# KiCad board SNES_SA1_1-0.kicad_pcb
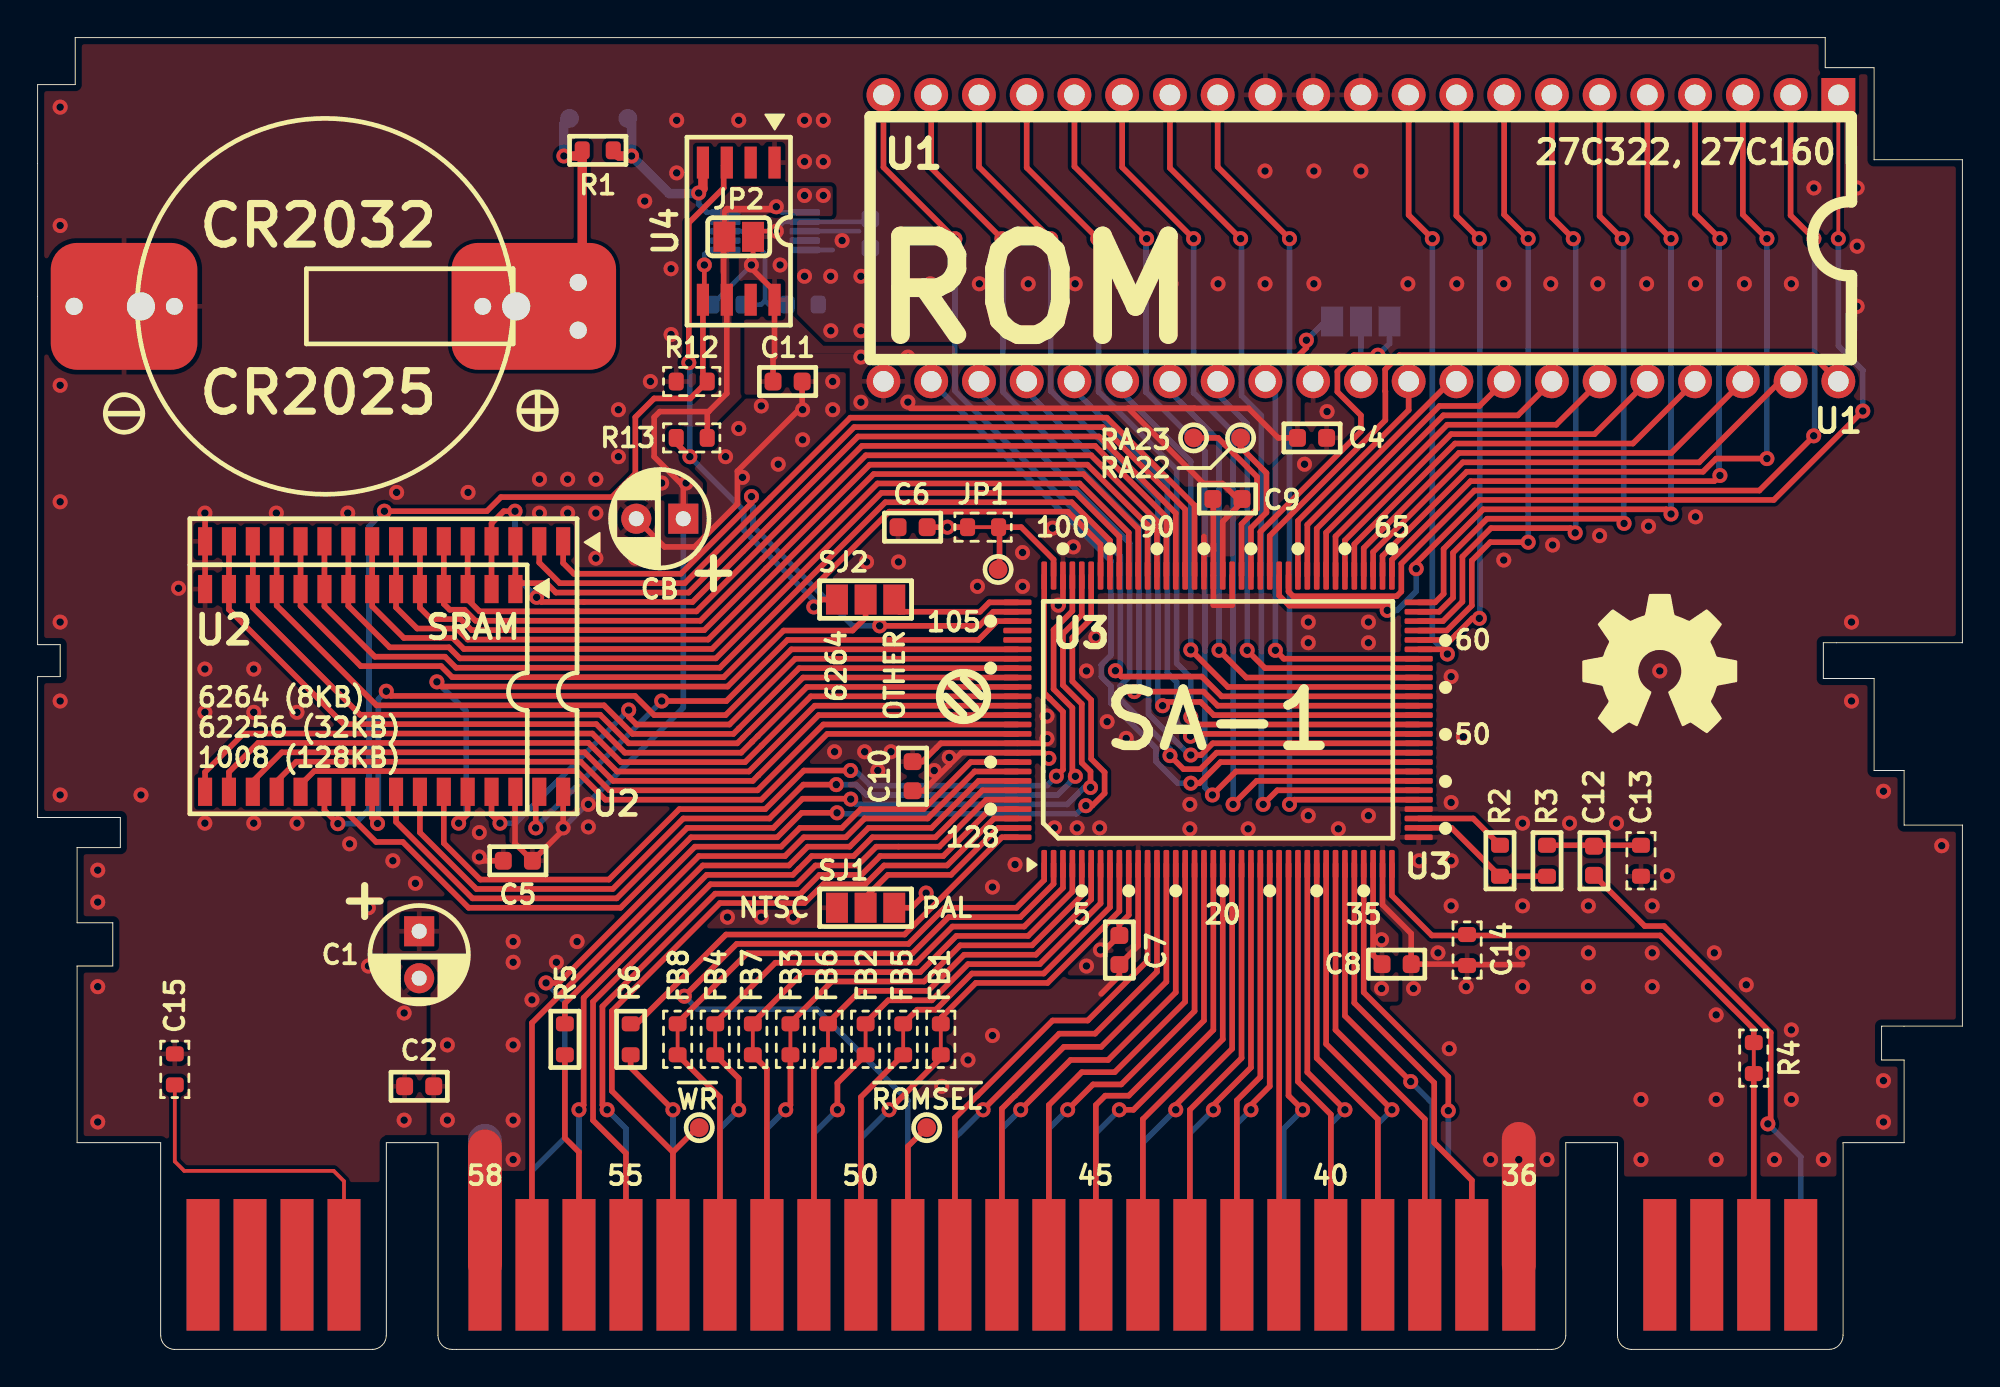
[diagram p0: board, top side]
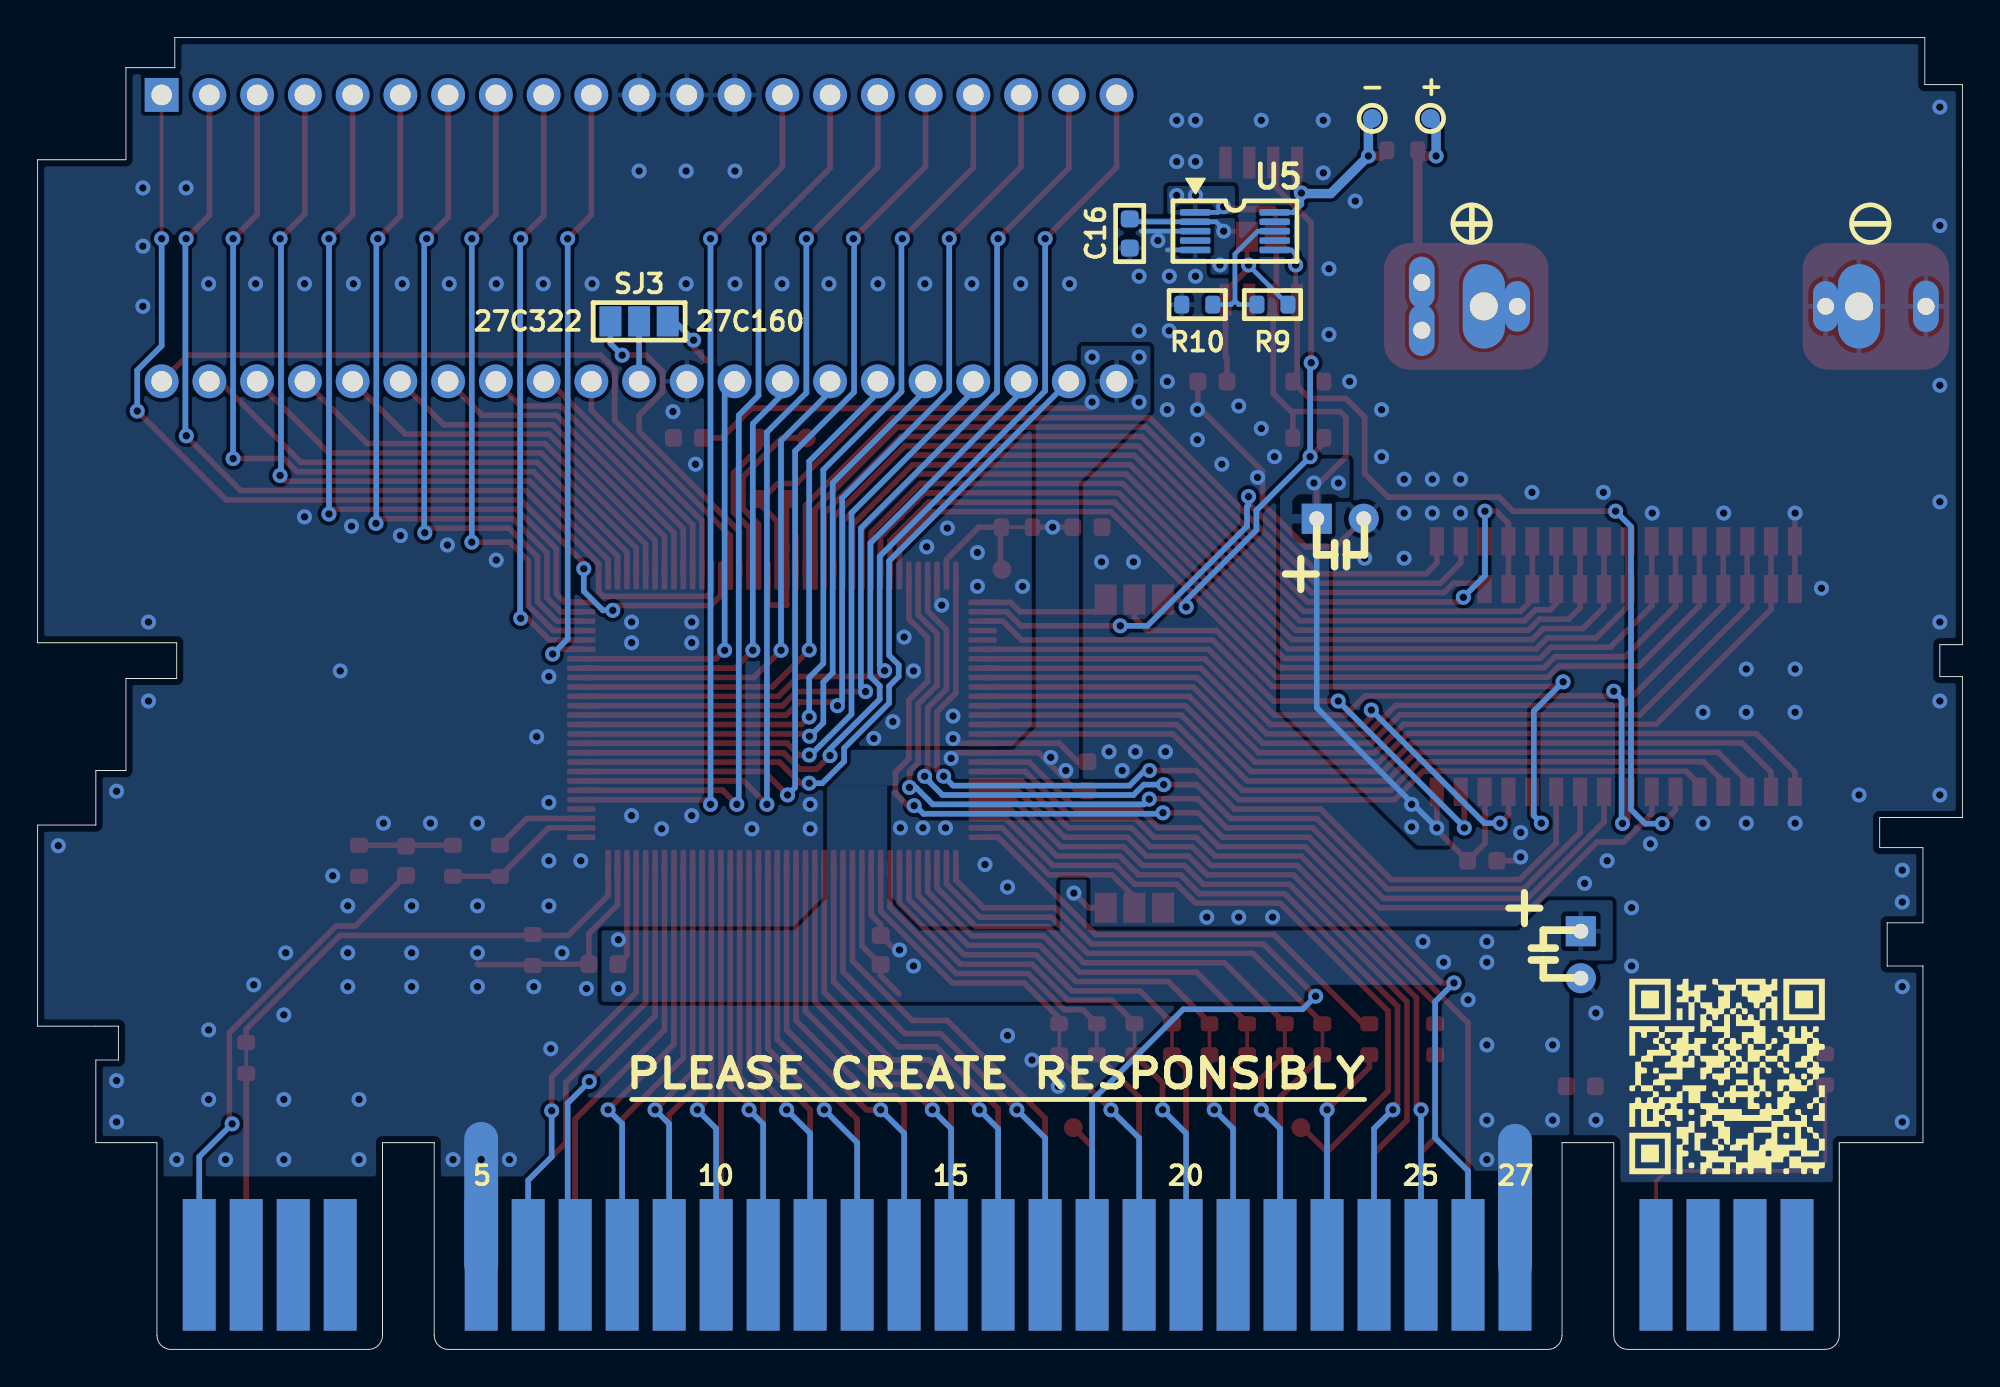
[diagram p1: board, bottom side, seen from below]

Outline 102.4 x 69.8 mm; copper layers: Top, Bottom. Coordinates in mm from the lower left corner of the outline.
Outline path: 3.8,11 2.1,11 2.1,20.4 4,20.4 4,22.7 2.1,22.7 2.1,26.7 4.4,26.7 4.4,28.3 0,28.3 0,35.8 1.2,35.8 1.2,37.5 0,37.5 0,67.3 2,67.3 2,69.8 95.1,69.8 95.1,68.2 97.7,68.2 97.7,63.3 102.4,63.3 102.4,37.6 95,37.6 95,35.7 97.7,35.7 97.7,30.8 99.3,30.8 99.3,27.9 102.4,27.9 102.4,17.2 98.1,17.2 98.1,15.4 99.3,15.4 99.3,11 98.8,11
Stack: Top 0.035mm / dielectric 1.51mm FR4 er 4.5 / Bottom 0.035mm

## Placement (name value [footprint] x y rotation side)
B1  CR2025  [COIN_CELL]  15.3 55.5 0 top
C1  22u  [CP_Radial_D5.0mm_P2.50mm]  20.3 22.25 270 top
C2  0.01u  [C_0603_1608Metric_Boxed]  20.3 14 180 top
C4  0.01u  [C_0603_1608Metric_Boxed]  67.8 48.5 0 top
C5  0.01u  [C_0603_1608Metric_Boxed]  25.55 26 180 top
C6  0.1u  [C_0603_1608Metric_Boxed]  46.55 43.75 180 top
C7  0.01u  [C_0603_1608Metric_Boxed]  57.55 21.25 270 top
C8  0.01u  [C_0603_1608Metric_Boxed]  72.3 20.5 0 top
C9  0.01u  [C_0603_1608Metric_Boxed]  63.3 45.25 180 top
C10  0.01u  [C_0603_1608Metric_Boxed]  46.55 30.5 90 top
C11  0.01u  [C_0603_1608Metric_Boxed]  39.9 51.5 0 top
C12  33pF  [C_0603_1608Metric_Boxed]  82.8 26 270 top
C13  ~  [R_0603_1608Metric_Boxed_DASHED]  85.3 26 270 top  (not fitted)
C14  ~  [R_0603_1608Metric_Boxed_DASHED]  76.05 21.25 90 top  (not fitted)
C15  33p  [R_0603_1608Metric_Boxed_DASHED]  7.3 14.9 270 top
C16  0.1uF  [C_0603_1608Metric_Boxed]  44.3 59.38 270 bottom
CB  22u  [CP_Radial_D5.0mm_P2.50mm]  34.35 44.2 180 top
FB1  0  [R_0603_1608Metric_Boxed_SHORTED_DASHED]  48.05 16.5 270 top  (not fitted)
FB2  0  [R_0603_1608Metric_Boxed_SHORTED_DASHED]  44.05 16.5 270 top  (not fitted)
FB3  0  [R_0603_1608Metric_Boxed_SHORTED_DASHED]  40.05 16.5 270 top  (not fitted)
FB4  0  [R_0603_1608Metric_Boxed_SHORTED_DASHED]  36.05 16.5 270 top  (not fitted)
FB5  0  [R_0603_1608Metric_Boxed_SHORTED_DASHED]  46.05 16.5 90 top  (not fitted)
FB6  0  [R_0603_1608Metric_Boxed_SHORTED_DASHED]  42.05 16.5 90 top  (not fitted)
FB7  0  [R_0603_1608Metric_Boxed_SHORTED_DASHED]  38.05 16.5 90 top  (not fitted)
FB8  0  [R_0603_1608Metric_Boxed_SHORTED_DASHED]  34.05 16.5 90 top  (not fitted)
G***  -  [LOGO]  86.3 36.5 0 top
G***#2  -  [LOGO]  15.3 57.5 180 bottom
G***#3  -  [LOGO]  12.5 14.5 180 bottom
JP1  Jumper_2_Bridged  [R_0603_1608Metric_Boxed_SHORTED_DASHED]  50.3 43.75 180 top  (not fitted)
JP2  Jumper_2_Open  [SJ]  37.3 59.2 180 top  (not fitted)
P1  SNES_Cartridge  [Cart_Edge_SNES_Exp]  51.3 4.5 0 top
R1  1k  [R_0603_1608Metric_Boxed]  29.8 63.8 180 top
R2  510k  [R_0603_1608Metric_Boxed]  77.8 26 270 top
R3  1k  [R_0603_1608Metric_Boxed]  80.3 26 270 top
R4  0  [R_0603_1608Metric_Boxed_SHORTED_DASHED]  91.3 15.5 270 top  (not fitted)
R5  1.5k  [R_0603_1608Metric_Boxed]  28.05 16.5 270 top
R6  220  [R_0603_1608Metric_Boxed]  31.55 16.5 90 top
R9  130k  [R_0603_1608Metric_Boxed]  36.71 55.59 0 bottom
R10  49.9k  [R_0603_1608Metric_Boxed]  40.71 55.59 0 bottom
R12  10k  [R_0603_1608Metric_Boxed_DASHED]  34.8 51.5 180 top  (not fitted)
R13  10k  [R_0603_1608Metric_Boxed_DASHED]  34.8 48.5 0 top  (not fitted)
SJ1  Jumper_3_Open  [SJ_2]  44.05 23.5 0 top
SJ2  Jumper_3_Open  [SJ_2]  44.05 39.9 0 top
SJ3  Jumper_3_Open  [SJ_2]  70.4 54.7 0 bottom
TP1  TPB1,27  [TestPoint_Pad_D1.0mm]  64 48.5 0 top
TP2  TPB1,27  [TestPoint_Pad_D1.0mm]  61.5 48.5 0 top
TP3  TPB1,27  [TestPoint_Pad_D1.0mm]  28.3 65.5 0 bottom
TP4  TPB1,27  [TestPoint_Pad_D1.0mm]  31.4 65.5 0 bottom
TP5  TPB1,27  [TestPoint_Pad_D1.0mm]  51.1 41.5 0 top
TP6  TPB1,27  [TestPoint_Pad_D1.0mm]  35.2 11.8 0 top
TP7  TPB1,27  [TestPoint_Pad_D1.0mm]  47.3 11.8 0 top
U1  27C322  [DIP-42_W15.24mm]  95.8 66.75 270 top
U2  AS6C1008  [SO32L_L]  17.8 35 180 top
U3  SA-1  [LQFP-128_14x20mm_P0.5mm]  62.8 33.5 90 top
U4  MM1026  [SOIC-8W_5.3x5.3mm_P1.27mm]  37.3 59.5 270 top
U5  TPS3613  [MSOP-10_3x3mm_P0.5mm]  38.7 59.5 180 bottom

## Library data of the parts
B1 = -: Description: Single-cell battery
C1 C2 C4-C16 CB = -: Description: Unpolarized capacitor; ki_fp_filters: C_*
FB1-FB8 R1-R6 R9 R10 R12 R13 = -: Description: Resistor; ki_fp_filters: R_*
JP1 = -: Description: Jumper, 2-pole, closed/bridged; ki_fp_filters: Jumper* TestPoint*2Pads* TestPoint*Bridge*
JP2 = -: Description: Jumper, 2-pole, open; ki_fp_filters: Jumper* TestPoint*2Pads* TestPoint*Bridge*
SJ1-SJ3 = -: Description: Jumper, 3-pole, both open; ki_fp_filters: Jumper* TestPoint*3Pads* TestPoint*Bridge*
TP1-TP7 = -: Description: test point; ki_fp_filters: Pin* Test*
U1 = -: Datasheet: https://static1.squarespace.com/static/51f517f0e4b01da70d01ca2a/t/5575515de4b0888fee6170ec/1433751901367/27C322.pdf; Description: 32 Mbit UV EPROM; ki_fp_filters: DIP*W15.24mm* PLCC*
U2 = -: ki_fp_filters: DIP*W15.24mm*

## Footprints (pads in the part's own frame, mm; a bottom-side part is the same pattern mirrored in y, then rotated)
C_0603_1608Metric_Boxed
  rrect 0.9x0.95 smd: 1(-0.775,0) 2(0.775,0)
Cart_Edge_SNES_Exp
  rect 1.75x7 smd far side: 1(42.5,0) 2(40,0) 3(37.5,0) 4(35,0) 5(27.5,0) 6(25,0) 7(22.5,0) 8(20,0) 9(17.5,0) 10(15,0) 11(12.5,0) 12(10,0) 13(7.5,0) 14(5,0) 15(2.5,0) 16(0,0) 17(-2.5,0) 18(-5,0) 19(-7.5,0) 20(-10,0) 21(-12.5,0) 22(-15,0) 23(-17.5,0) 24(-20,0) 25(-22.5,0) 26(-25,0) 27(-27.5,0) 28(-35,0) 29(-37.5,0) 30(-40,0) 31(-42.5,0)
  rect 1.75x7 smd: 32(42.5,0) 33(40,0) 34(37.5,0) 35(35,0) 36(27.5,0) 37(25,0) 38(22.5,0) 39(20,0) 40(17.5,0) 41(15,0) 42(12.5,0) 43(10,0) 44(7.5,0) 45(5,0) 46(2.5,0) 47(0,0) 48(-2.5,0) 49(-5,0) 50(-7.5,0) 51(-10,0) 52(-12.5,0) 53(-15,0) 54(-17.5,0) 55(-20,0) 56(-22.5,0) 57(-25,0) 58(-27.5,0) 59(-35,0) 60(-37.5,0) 61(-40,0) 62(-42.5,0)
COIN_CELL
  oval 1.35x2.7 hole 0.9: 1(8.382,0) 2(-8.024,0)
  oval 2.248x4.496 hole 1.499: 1(10.16,0) 2(-9.802,0)
  rrect 8.75x6.75 smd: 1(11.1,0)
  oval 1.372x2.743 hole 0.914: 1(13.462,1.27) 1(13.462,-1.27) 2(-13.358,0)
  rrect 7.8x6.75 smd: 2(-10.7,0)
CP_Radial_D5.0mm_P2.50mm
  rect 1.6x1.6 hole 0.8: 1(0,0)
  round 1.6 hole 0.8: 2(2.5,0)
DIP-42_W15.24mm
  rect 1.8x1.8 hole 1.1: 1(0,0)
  oval 1.8x1.8 hole 1.1: 2(0,-2.54) 3(0,-5.08) 4(0,-7.62) 5(0,-10.16) 6(0,-12.7) 7(0,-15.24) 8(0,-17.78) 9(0,-20.32) 10(0,-22.86) 11(0,-25.4) 12(0,-27.94) 13(0,-30.48) 14(0,-33.02) 15(0,-35.56) 16(0,-38.1) 17(0,-40.64) 18(0,-43.18) 19(0,-45.72) 20(0,-48.26) 21(0,-50.8) 22(15.24,-50.8) 23(15.24,-48.26) 24(15.24,-45.72) 25(15.24,-43.18) 26(15.24,-40.64) 27(15.24,-38.1) 28(15.24,-35.56) 29(15.24,-33.02) 30(15.24,-30.48) 31(15.24,-27.94) 32(15.24,-25.4) 33(15.24,-22.86) 34(15.24,-20.32) 35(15.24,-17.78) 36(15.24,-15.24) 37(15.24,-12.7) 38(15.24,-10.16) 39(15.24,-7.62) 40(15.24,-5.08) 41(15.24,-2.54) 42(15.24,0)
LQFP-128_14x20mm_P0.5mm
  rrect 1.5x0.3 smd: 1(-7.675,9.25) 2(-7.675,8.75) 3(-7.675,8.25) 4(-7.675,7.75) 5(-7.675,7.25) 6(-7.675,6.75) 7(-7.675,6.25) 8(-7.675,5.75) 9(-7.675,5.25) 10(-7.675,4.75) 11(-7.675,4.25) 12(-7.675,3.75) 13(-7.675,3.25) 14(-7.675,2.75) 15(-7.675,2.25) 16(-7.675,1.75) 17(-7.675,1.25) 18(-7.675,0.75) 19(-7.675,0.25) 20(-7.675,-0.25) 21(-7.675,-0.75) 22(-7.675,-1.25) 23(-7.675,-1.75) 24(-7.675,-2.25) 25(-7.675,-2.75) 26(-7.675,-3.25) 27(-7.675,-3.75) 28(-7.675,-4.25) 29(-7.675,-4.75) 30(-7.675,-5.25) 31(-7.675,-5.75) 32(-7.675,-6.25) 33(-7.675,-6.75) 34(-7.675,-7.25) 35(-7.675,-7.75) 36(-7.675,-8.25) 37(-7.675,-8.75) 38(-7.675,-9.25) 65(7.675,-9.25) 66(7.675,-8.75) 67(7.675,-8.25) 68(7.675,-7.75) 69(7.675,-7.25) 70(7.675,-6.75) 71(7.675,-6.25) 72(7.675,-5.75) 73(7.675,-5.25) 74(7.675,-4.75) 75(7.675,-4.25) 76(7.675,-3.75) 77(7.675,-3.25) 78(7.675,-2.75) 79(7.675,-2.25) 80(7.675,-1.75) 81(7.675,-1.25) 82(7.675,-0.75) 83(7.675,-0.25) 84(7.675,0.25) 85(7.675,0.75) 86(7.675,1.25) 87(7.675,1.75) 88(7.675,2.25) 89(7.675,2.75) 90(7.675,3.25) 91(7.675,3.75) 92(7.675,4.25) 93(7.675,4.75) 94(7.675,5.25) 95(7.675,5.75) 96(7.675,6.25) 97(7.675,6.75) 98(7.675,7.25) 99(7.675,7.75) 100(7.675,8.25) 101(7.675,8.75) 102(7.675,9.25)
  rrect 0.3x1.5 smd: 39(-6.25,-10.675) 40(-5.75,-10.675) 41(-5.25,-10.675) 42(-4.75,-10.675) 43(-4.25,-10.675) 44(-3.75,-10.675) 45(-3.25,-10.675) 46(-2.75,-10.675) 47(-2.25,-10.675) 48(-1.75,-10.675) 49(-1.25,-10.675) 50(-0.75,-10.675) 51(-0.25,-10.675) 52(0.25,-10.675) 53(0.75,-10.675) 54(1.25,-10.675) 55(1.75,-10.675) 56(2.25,-10.675) 57(2.75,-10.675) 58(3.25,-10.675) 59(3.75,-10.675) 60(4.25,-10.675) 61(4.75,-10.675) 62(5.25,-10.675) 63(5.75,-10.675) 64(6.25,-10.675) 103(6.25,10.675) 104(5.75,10.675) 105(5.25,10.675) 106(4.75,10.675) 107(4.25,10.675) 108(3.75,10.675) 109(3.25,10.675) 110(2.75,10.675) 111(2.25,10.675) 112(1.75,10.675) 113(1.25,10.675) 114(0.75,10.675) 115(0.25,10.675) 116(-0.25,10.675) 117(-0.75,10.675) 118(-1.25,10.675) 119(-1.75,10.675) 120(-2.25,10.675) 121(-2.75,10.675) 122(-3.25,10.675) 123(-3.75,10.675) 124(-4.25,10.675) 125(-4.75,10.675) 126(-5.25,10.675) 127(-5.75,10.675) 128(-6.25,10.675)
MSOP-10_3x3mm_P0.5mm
  rrect 1.625x0.35 smd: 1(-2.112,1) 2(-2.112,0.5) 3(-2.112,0) 4(-2.112,-0.5) 5(-2.112,-1) 6(2.112,-1) 7(2.112,-0.5) 8(2.112,0) 9(2.112,0.5) 10(2.112,1)
R_0603_1608Metric_Boxed
  rrect 0.8x0.95 smd: 1(-0.825,0) 2(0.825,0)
R_0603_1608Metric_Boxed_DASHED
  rrect 0.8x0.95 smd: 1(-0.825,0) 2(0.825,0)
R_0603_1608Metric_Boxed_SHORTED_DASHED
  rrect 0.8x0.95 smd: 1(-0.825,0) 2(0.825,0)
SJ
  rect 1.168x1.6 smd: 1(-0.762,0) 2(0.762,0)
SJ_2
  rect 1.168x1.6 smd: 1(-1.524,0) 2(0,0) 3(1.524,0)
SO32L_L
  rect 0.75x1.5 smd: 1(-10.16,-7.997) 2(-8.89,-7.997) 3(-7.62,-5.457) 3(-7.62,-7.997) 4(-6.35,-5.457) 4(-6.35,-7.997) 5(-5.08,-5.457) 5(-5.08,-7.997) 6(-3.81,-5.457) 6(-3.81,-7.997) 7(-2.54,-5.457) 7(-2.54,-7.997) 8(-1.27,-5.457) 8(-1.27,-7.997) 9(0,-5.457) 9(0,-7.997) 10(1.27,-5.457) 10(1.27,-7.997) 11(2.54,-5.457) 11(2.54,-7.997) 12(3.81,-5.457) 12(3.81,-7.997) 13(5.08,-5.457) 13(5.08,-7.997) 14(6.35,-5.457) 14(6.35,-7.997) 15(7.62,-5.457) 15(7.62,-7.997) 16(8.89,-5.457) 16(8.89,-7.997) 17(8.89,5.33) 18(7.62,5.33) 19(6.35,5.33) 20(5.08,5.33) 21(3.81,5.33) 22(2.54,5.33) 23(1.27,5.33) 24(0,5.33) 25(-1.27,5.33) 26(-2.54,5.33) 27(-3.81,5.33) 28(-5.08,5.33) 29(-6.35,5.33) 30(-7.62,5.33) 31(-8.89,5.33) 32(-10.16,5.33)
SOIC-8W_5.3x5.3mm_P1.27mm
  rect 1.7x0.65 smd: 1(-3.65,1.905) 2(-3.65,0.635) 3(-3.65,-0.635) 4(-3.65,-1.905) 5(3.65,-1.905) 6(3.65,-0.635) 7(3.65,0.635) 8(3.65,1.905)
TestPoint_Pad_D1.0mm
  round 1 smd: 1(0,0)

## Nets
+5V: C1.1 C2.1 C4.1 C6.1 C7.1 C8.1 C9.1 C10.1 C11.1 C16.1 JP1.2 JP2.1 P1.27 P1.58 R9.1 SJ1.3 SJ3.1 U1.22 U3.10 U3.36 U3.83 U3.119 U4.8 U5.2
GND: B1.2 C1.2 C2.2 C4.2 C5.2 C6.2 C7.2 C8.2 C9.2 C10.2 C11.2 C13.2 C14.1 C15.1 C16.2 CB.2 P1.5 P1.36 R10.2 R12.2 SJ1.1 U1.11 U1.12 U1.13 U1.31 U2.16 U3.11 U3.37 U3.39 U3.42 U3.82 U3.84 U3.85 U3.100 U3.118 U4.1 U5.3 U5.5
+BATT: R1.1 TP4.1 U4.4 U5.10
+VSW: C5.1 CB.1 JP2.2 R13.2 U2.30 U2.32 U4.6 U5.1
/A_{0}: P1.17 U3.13
/A_{1}: P1.16 U3.15
/A_{2}: P1.15 U3.17
/A_{3}: P1.14 U3.19
/A_{4}: P1.13 U3.21
/A_{5}: P1.12 U3.23
/A_{6}: P1.11 U3.25
/A_{7}: P1.10 U3.27
/A_{8}: P1.9 U3.29
/A_{9}: P1.8 U3.31
/A_{10}: P1.7 U3.33
/A_{11}: P1.6 U3.35
/A_{12}: P1.37 U3.34
/A_{13}: P1.38 U3.32
/A_{14}: P1.39 U3.30
/A_{15}: P1.40 U3.28
/AA_{0}: U2.12 U3.96
/AA_{1}: U2.11 U3.95
/AA_{2}: U2.10 U3.94
/AA_{3}: U2.9 U3.93
/AA_{4}: U2.8 U3.92
/AA_{5}: U2.7 U3.91
/AA_{6}: U2.6 U3.90
/AA_{7}: U2.5 U3.89
/AA_{8}: U2.27 U3.102
/AA_{9}: U2.26 U3.99
/AA_{10}: U2.23 U3.97
/AA_{11}: U2.25 U3.98
/AA_{12}: U2.4 U3.88
/AA_{13}: SJ2.3 U3.103
/AA_{14}: U2.3 U3.87
/AA_{15}: U2.31 U3.105
/AA_{16}: U2.2 U3.86
/AA_{17}: U2.1 U3.104
/AD_{0}: U2.13 U3.110
/AD_{1}: U2.14 U3.111
/AD_{2}: U2.15 U3.112
/AD_{3}: U2.17 U3.113
/AD_{4}: U2.18 U3.114
/AD_{5}: U2.19 U3.115
/AD_{6}: U2.20 U3.116
/AD_{7}: U2.21 U3.117
/BA_{0}: P1.41 U3.26
/BA_{1}: P1.42 U3.24
/BA_{2}: P1.43 U3.22
/BA_{3}: P1.44 U3.20
/BA_{4}: P1.45 U3.18
/BA_{5}: P1.46 U3.16
/BA_{6}: P1.47 U3.14
/BA_{7}: P1.48 U3.12
/CIC0: P1.24 U3.125
/CIC1: P1.55 U3.124
/CIC2: P1.25 U3.123
/CIC3: P1.56 R5.2
/D_{0}: FB1.1 U3.9
/D_{1}: FB2.1 U3.7
/D_{2}: FB3.1 U3.5
/D_{3}: FB4.1 U3.3
/D_{4}: FB5.2 U3.8
/D_{5}: FB6.2 U3.6
/D_{6}: FB7.2 U3.4
/D_{7}: FB8.2 U3.2
/MCLK: C12.2 P1.1
/RA_{1}: U1.10 U3.59
/RA_{2}: U1.9 U3.60
/RA_{3}: U1.8 U3.61
/RA_{4}: U1.7 U3.62
/RA_{5}: U1.6 U3.63
/RA_{6}: U1.5 U3.64
/RA_{7}: U1.4 U3.65
/RA_{8}: U1.3 U3.66
/RA_{9}: U1.41 U3.67
/RA_{10}: U1.40 U3.68
/RA_{11}: U1.39 U3.69
/RA_{12}: U1.38 U3.70
/RA_{13}: U1.37 U3.71
/RA_{14}: U1.36 U3.72
/RA_{15}: U1.35 U3.73
/RA_{16}: U1.34 U3.74
/RA_{17}: U1.33 U3.75
/RA_{18}: U1.2 U3.76
/RA_{19}: U1.1 U3.77
/RA_{20}: U1.42 U3.78
/RA_{21}: SJ3.3 U3.79
/RA_{22}: TP1.1 U3.80
/RA_{23}: TP2.1 U3.81
/RD_{0}: U1.30 U3.58
/RD_{1}: U1.28 U3.56
/RD_{2}: U1.26 U3.50
/RD_{3}: U1.24 U3.48
/RD_{4}: U1.21 U3.54
/RD_{5}: U1.19 U3.52
/RD_{6}: U1.17 U3.46
/RD_{7}: U1.15 U3.44
/RD_{8}: U1.29 U3.57
/RD_{9}: U1.27 U3.55
/RD_{10}: U1.25 U3.49
/RD_{11}: U1.23 U3.47
/RD_{12}: U1.20 U3.53
/RD_{13}: U1.18 U3.51
/RD_{14}: U1.16 U3.45
/RD_{15}: U1.14 U3.43
/REFRESH: P1.33 R4.2
/SYSCLK: P1.57 U3.121
/~{IRQ}: P1.18 U3.1
/~{OE}_{RAM}: U2.24 U3.108
/~{RD}: P1.23 R6.1
/~{RESET}: P1.26 U3.120
/~{ROMSEL}: P1.49 TP7.1
/~{WE}_{RAM}: U2.29 U3.109
/~{WR}: P1.54 TP6.1 U3.126
Net-(B1-+): B1.1 R1.2 TP3.1
Net-(C12-Pad1): C12.1 C13.1 R3.1
Net-(JP1-A): JP1.1 TP5.1 U3.101
Net-(P1-D0): FB1.2 P1.19
Net-(P1-D1): FB2.2 P1.20
Net-(P1-D2): FB3.2 P1.21
Net-(P1-D3): FB4.2 P1.22
Net-(P1-D4): FB5.1 P1.50
Net-(P1-D5): FB6.1 P1.51
Net-(P1-D6): FB7.1 P1.52
Net-(P1-D7): FB8.1 P1.53
Net-(P1-PA_{1}): C15.2 P1.59
Net-(SJ1-C): SJ1.2 U3.127
Net-(SJ2-A): R13.1 SJ2.1 U4.3
Net-(SJ2-C): SJ2.2 U2.28
Net-(SJ3-C): SJ3.2 U1.32
Net-(U2-~{CS}): R12.1 U2.22 U4.5 U5.6
Net-(U3A-CIC3): R5.1 U3.122
Net-(U3A-CLK1): R2.2 R3.2 U3.40
Net-(U3A-CLK2): R2.1 U3.41
Net-(U3A-REFRESH): C14.2 R4.1 U3.38
Net-(U3A-~{RD}): R6.2 U3.128
Net-(U5-SENSE): R9.2 R10.1 U5.8

Pads without a net: P1 2 3 4 28 29 30 31 32 34 35 60 61 62; U3 106 107; U4 2 7; U5 4 7 9

## Via types
v1: diameter 0.8, hole 0.4, Top to Bottom, 319 vias
